# Altium PCB GBA_V1.PcbDoc (part 3 of 4)
Units mm, origin at the board's own origin, x right, y up, seen from the top; angles counter-clockwise.
Board outline 130.69 x 72.26 mm, 4 copper layers (Top Copper, Signal Layer 1, Signal Layer 2, Bottom Copper), stack 1.169 mm thick; 185 components, 167 nets, 812 pads, 417 vias.
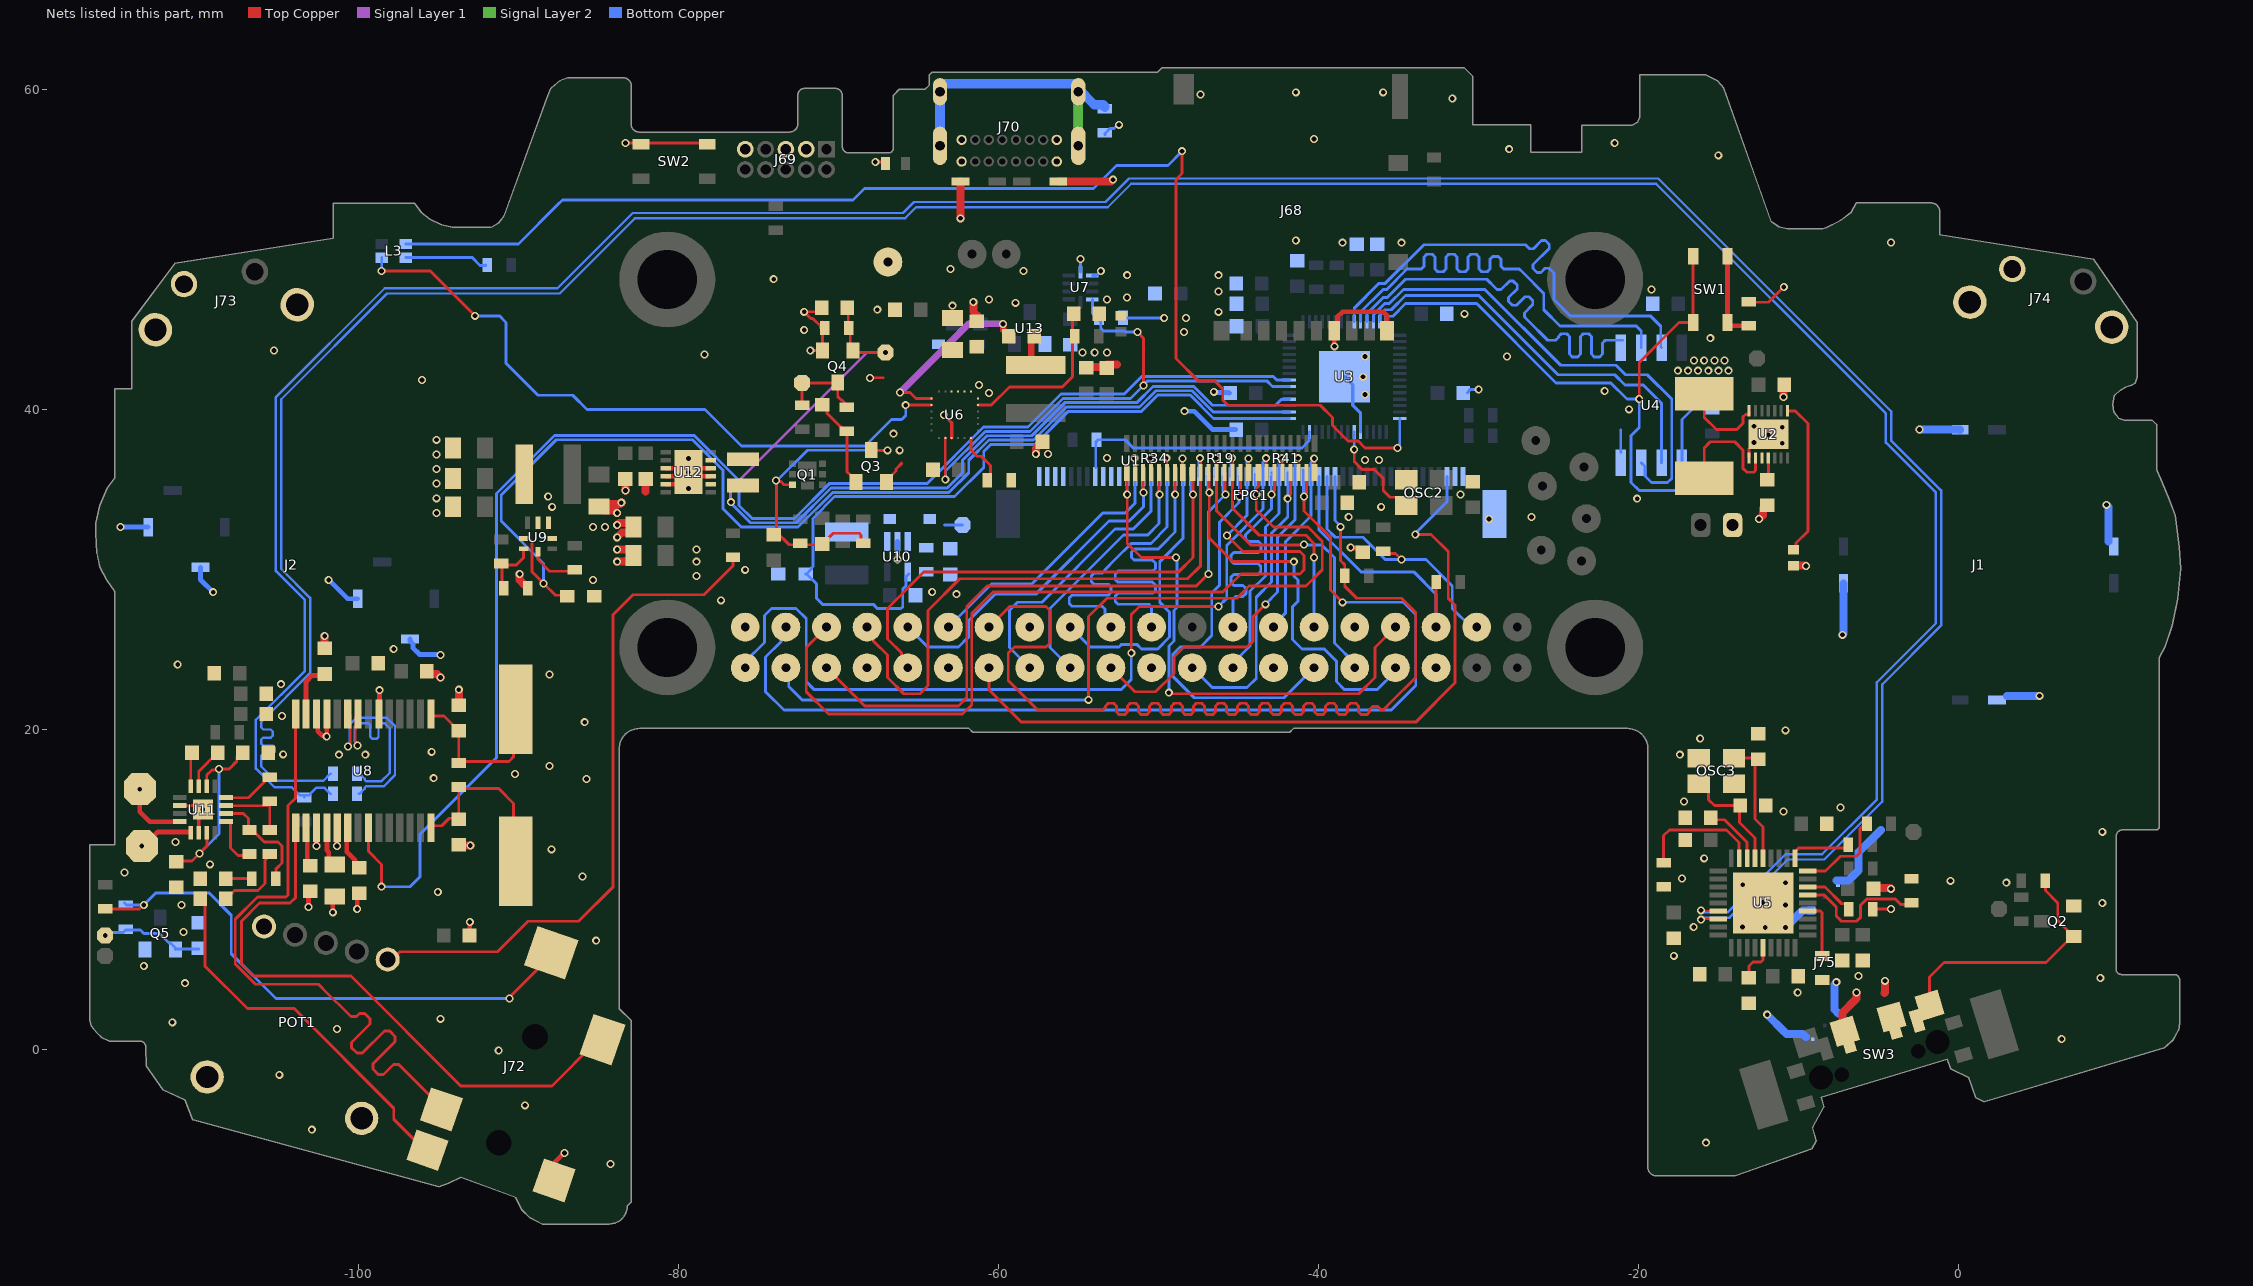
[diagram p5: the nets of this part, all layers, seen from the top]

## Via types
v1: diameter 0.5/0.5/0.5/0.5 (per signal layer), hole 0.3, Top Copper to Bottom Copper, tented both sides, 284 vias
v2: diameter 0.5, hole 0.3, Top Copper to Bottom Copper, tented both sides, 128 vias
v3: diameter 0.5/0.5/0.5/0.5 (per signal layer), hole 0.3, Top Copper to Bottom Copper, 5 vias

## Nets (pads, with @x,y where several pads share a name; then routed paths per layer and width w, separated by ;. In a path a pad name is that pad's centre, name@x,y a point inside that pad or via, vN(x,y) a via of type N, cw(c..) or ccw(c..) an arc to the next point about the centre after c; other vN are vias at no path point) (continued)
CSN: B1.1 C1.1 C2.2 C3.1 C4.1 C5.1 C6.2 C7.2 C8.2 C9.2 C10.2 C11.2 C12.2 C13.2 C14.2 C15.2 C16.1 C17.1 C18.1 C20.2 C21.2 C22.2 C23.2 C24.2 C25.2 C26.2 C27.2 C28.2 C29.1 C30.2 C31.1 C32.1 C33.2 C34.2 C35.2 C36.2 C37.2 C38.2 C39.2 C40.2 C41.2 C42.2 C43.2 C47.1 C48.1 C49.1 C51.2 C52.2 C53.2 C56.2 C57.2 C59.2 C60.2 C61.2 C62.2 C63.2 C64.2 C65.2 C67.2 C68.2 C69.2 C70.2 C71.2 C72.2 C73.2 C74.2 C75.2 ESD1.2 FPC1.9 FPC1.10 FPC1.11 FPC1.53 FPC1.54 FPC1.56 J1.GND J2.A_2 J2.B_2 J68.6 J68.10 J69.3 J69.5 J69.9 J70.A1 J70.A12 J70.B1 J70.B12 J72.1 J73.GND J73.SH J74.GND J74.SH J75.GND OSC2.2 OSC3.2 OSC3.4 POT1.3 POT1.MH1 POT1.MH2 Q2.2 Q3.2 Q4.2 Q5.2 R3.1 R7.2 R8.1 R9.1 R10.1 R11.1 R13.1 R25.1 R35.1 R42.1 R51.1 R59.1 RSENSE1.2 SW2.3 SW2.4 SW3.2 SW3.3 THR1.2 THR2.2 TVS1.1 TVS2.1 TVS3.1 U1.6 U1.9 U1.14 U1.20 U1.25 U1.30 U1.34 U1.39 U1.GND_3 U2.7 U2.8 U2.15 U3.19 U3.57 U4.4 U5.37 U6.9 U6.18 U6.19 U7.5 U7.6 U8.6 U8.11 U8.12 U8.17 U8.19 U9.2 U9.3 U10.2 U11.2 U11.6 U11.17 U12.3 U12.4 U12.5 U12.9 U12.10 U12.13 U13.1 | length 133.2
  Top Copper w0.18: v1(-83.312,56.642) -78.257,56.642 SW2.3@-78.189,56.574 ; v1(-71.755,43.688) Q4.2@-70.988,43.688 -70.993,43.693 R35.1@-70.993,45.466 ; R35.1@-71.12,45.085 -71.12,45.201 -71.604,45.685 -71.72,45.685 v1(-72.136,46.101) -71.335,46.101 C63.2@-71.081,46.355 ; v1(-68.017,41.965) -68.007,41.975 -67.209,41.975 ; v1(-67.691,55.458) -67.132,55.458 ESD1.2@-67.046,55.372 ; Q3.2@-66.995,35.449 -66.995,35.549 -66.4,36.144 -66.4,36.271 -66.04,36.631 -66.04,36.647 ; RSENSE1.2@-15.875,40.977 -15.875,39.497 -15.113,38.735 -13.843,38.735 -13.462,39.116 -13.462,39.513 -13.304,39.671 -13.078,39.671 -13.068,39.681 U2.7@-13.068,39.907 ; R3.1@-13.081,46.697 -11.85,46.697 v1(-10.903,47.644) ; U2.8@-13.068,36.957 -13.068,37.557 -12.757,37.868 v3(-12.757,37.924) ; R51.1@-5.387,8.763 -5.246,8.763 v1(-4.191,8.763)
  Top Copper w0.2: U11.2@-111.178,15.236 -109.978,15.236 v1(-109.728,14.986) -109.978,14.736 U11.6@-109.978,13.536 ; v1(-63.389,39.64) -62.915,39.166 U6.9@-62.915,38.214
  Top Copper w0.3: v1(-103.124,8.89) C29.1@-103.124,9.818 ; U8.17@-102.62,13.976 -102.618,13.974 -102.618,12.702 v1(-102.616,12.7) ; U8.12@-102.62,21.076 -102.545,21.001 -102.545,19.89 -102.252,19.596 -102.019,19.596 v1(-101.981,19.558) -101.975,19.564 -101.975,21.07 U8.11@-101.97,21.076 ; v1(-101.6,8.563) C30.2@-101.6,9.491 ; v1(-101.346,12.7) -101.333,12.713 -101.333,13.963 U8.19@-101.32,13.976 ; v1(-100.076,8.763) C31.1@-100.076,9.691 ; U8.6@-98.679,21.59 v1(-98.679,22.445) ; C62.2@-93.034,7.101 v1(-93.034,7.956) ; J72.1@-87.97,-8.33 -87.97,-7.325 v1(-87.122,-6.477) ; U12.5@-80.778,35.322 -80.103,35.322 -79.378,36.047 v1(-79.378,36.072) ; U12.4@-80.778,35.822 -79.628,35.822 v1(-79.378,36.072) ; U12.3@-80.778,36.322 -79.628,36.322 v1(-79.378,36.072) ; U12.9@-77.978,35.822 -79.128,35.822 v1(-79.378,36.072) ; U12.10@-77.978,36.322 -79.128,36.322 v1(-79.378,36.072) ; v1(-38.989,43.942) -38.998,43.951 -38.998,44.9 J68.6@-39.006,44.909 -38.806,45.109 -38.806,45.776 -38.481,46.101 -35.941,46.101 -35.706,45.866 J68.10@-35.706,44.909 ; v1(-37.973,31.369) -37.919,31.369 -37.877,31.327 -37.461,31.327 C64.2@-37.211,31.077 C64.2@-37.211,31.027
  Top Copper w0.5: C32.1@-102.147,25.068 -102.108,25.107 v1(-102.108,25.83) ; C28.2@-95.67,23.622 -95.52,23.472 -95.1,23.472 v1(-94.869,23.241) ; C26.2@-93.765,12.778 -93.726,12.739 v1(-93.003,12.739) ; C27.2@-93.726,21.551 v1(-93.726,22.479) ; v1(-89.916,29.718) -89.916,29.325 -89.62,29.029 -89.47,29.029 -89.42,28.979 R59.1@-89.42,28.829 ; v1(-83.82,30.48) -83.309,30.48 -83.278,30.511 -83.038,30.511 -83.019,30.53 C59.2@-83.019,30.695 ; v1(-83.82,31.242) -83.182,31.242 -83.151,31.211 -83.038,31.211 -82.838,31.011 C59.2@-82.838,30.861 ; v1(-83.82,32.004) -83.535,32.289 -83.027,32.289 C60.2@-82.931,32.385 ; v1(-83.82,32.766) -83.682,32.904 -83.038,32.904 -83.019,32.885 C60.2@-83.019,32.854 ; v1(-83.82,33.528) -83.967,33.675 -84.613,33.675 -84.613,34.075 -83.654,34.075 v1(-83.566,34.163) ; v1(-83.312,34.925) C57.2@-83.312,35.599 ; -82.042,34.876 -82.042,35.599 C56.2@-82.003,35.638 ; TVS1.1@-62.364,54.229 -62.357,54.229 v1(-62.357,51.943) ; v1(-61.564,46.705) -61.564,46.104 C17.1@-61.214,45.754 ; v1(-57.658,37.211) -57.658,37.554 C24.2@-57.239,37.973 C24.2@-57.189,37.973 ; TVS2.1@-56.247,54.229 -52.959,54.229 v1(-52.832,54.356) ; C21.2@-54.635,42.663 -54.62,42.648 -53.482,42.648 -53.467,42.663 C22.2@-53.36,42.663 ; C22.2@-53.34,42.633 -53.34,42.64 -53.19,42.79 -52.587,42.79 -52.584,42.793 ; v1(-12.446,33.147) -12.215,33.378 -12.215,33.798 C1.1@-12.065,33.948 ; v1(-10.922,40.767) -10.922,41.441 C2.2@-10.834,41.529 ; THR1.2@-10.287,30.234 -9.533,30.234 v1(-9.506,30.207) ; SW3.2@-7.239,1.524 -7.239,2.282 -6.35,3.171 v1(-6.35,3.556) ; C12.2@-5.296,10.183 -5.191,10.078 -4.236,10.078 v1(-4.191,10.033) ; -4.611,3.517 -4.572,3.556 v1(-4.572,4.279)
  Bottom Copper w0.18: U7.5@-54.864,48.575 v1(-54.864,49.403) ; U7.6@-54.123,48.375 -53.86,48.375 v1(-53.594,48.641) ; B1.1@-53.33,57.15 -53.33,57.249 -53.03,57.549 -52.774,57.549 -52.538,57.785 v1(-52.451,57.785) ; R13.1@-52.109,45.72 v1(-49.632,45.72) ; C5.1@-30.681,41.035 -30.567,41.148 -30.567,41.207 -30.54,41.234 v1(-29.972,41.234) ; -21.095,38.722 -21.095,37.332 U4.4@-21.082,37.319
  Bottom Copper w0.2: U3.57@-38.354,42.037 -37.846,41.529 -37.846,40.259 -37.354,39.767 U3.19@-37.354,38.587
  Bottom Copper w0.3: v1(-114.874,32.647) -114.865,32.639 J2.A_2@-113.134,32.639 ; J2.A_2@-109.871,30.135 -109.871,29.364 v1(-109.077,28.57) ; v1(-101.854,29.337) -100.675,28.158 J2.B_2@-100.037,28.158 ; J2.B_2@-96.774,25.654 -96.774,25.523 -96.593,25.342 -96.593,25.092 -96.177,24.676 -94.907,24.676 v1(-94.869,24.638) ; U10.2@-66.304,31.736 -66.299,31.731 -66.299,30.612 v2(-66.294,30.607) ; v2(-48.371,39.886) -47.76,39.886 -46.609,38.735 C4.1@-45.173,38.735 ; v2(-46.533,41.097) -46.495,41.059 -45.592,41.059 C6.2@-45.554,41.021
  Bottom Copper w0.5: v1(-11.938,2.159) -10.893,1.114 -10.747,0.968 -9.731,0.968 -9.525,0.762 ; v2(-10.795,7.62) -9.736,8.679 J75.GND@-9.171,8.679 ; v1(-7.62,4.191) -7.747,4.064 -7.747,2.498 J75.GND@-7.49,2.241 ; -7.62,10.541 -6.858,10.541 -6.223,11.176 -6.223,12.319 -4.826,13.716 ; v1(-7.239,25.908) -7.168,25.979 J1.GND@-7.168,29.128 ; v1(-2.413,38.735) 0.113,38.735 J1.GND@0.127,38.721 ; 3.048,22.098 v1(5.08,22.098) ; v1(9.271,34.036) 9.398,33.909 9.398,31.75
  other v1: -84.233,-7.17 -15.756,-5.84 -102.913,-5.024 -89.578,-3.5 -104.945,-1.595 -91.229,-0.071 6.469,0.637 -101.346,1.27 -111.633,1.685 -94.869,1.905 -10.033,3.556 -110.843,4.128 8.882,4.447 -6.223,4.572 -113.411,5.207 -17.78,5.842 -85.133,6.787 -110.937,7.328 -111.057,9.02 9.009,9.146 -95.039,9.835 -85.987,10.797 -114.613,11.052 -109.279,11.56 -87.927,12.502 -111.438,12.957 9.009,13.591 -85.733,16.893 -95.293,16.947 -90.213,17.201 -88.054,17.709 -101.219,18.415 -99.568,18.415 -104.7,18.442 -95.42,18.598 -85.852,20.447 -104.775,20.828 -104.834,22.818 -88.054,23.424 -111.295,24.059 -97.79,25.019 -77.343,28.067 -62.611,28.448 -64.135,28.575 -85.344,29.337 -78.867,29.591 -75.819,29.972 -78.867,30.48 -78.867,31.242 -85.344,32.639 -84.582,32.639 -29.337,33.147 -38.1,33.274 -26.67,33.274 -95.123,33.528 -87.884,33.909 -36.068,33.909 -20.066,34.417 -95.123,34.442 -88.138,34.544 -31.115,34.671 -79.375,35.052 -95.123,35.357 -95.123,36.271 -37.084,36.83 -36.195,36.83 -79.375,36.934 -53.213,36.957 -95.123,37.186 -56.896,37.211 -66.167,37.441 -95.123,38.1 -66.548,38.481 -20.574,40.005 -37.073,40.93 -60.579,41.021 -22.098,41.148 -61.214,41.529 -96.032,41.829 -37.211,42.037 -17.526,42.418 -16.891,42.418 -16.256,42.418 -15.621,42.418 -14.986,42.418 -14.351,42.418 -16.51,43.053 -15.875,43.053 -15.24,43.053 -14.605,43.053 -37.084,43.307 -28.194,43.307 -78.359,43.434 -54.737,43.561 -53.975,43.561 -53.213,43.561 -105.283,43.688 -15.494,44.45 -48.387,44.831 -72.136,44.958 -48.26,45.72 -30.861,45.974 -46.228,46.101 -67.564,46.228 -62.865,46.482 -58.928,46.662 -60.579,46.863 -53.213,46.863 -51.948,46.999 -46.228,47.371 -19.177,47.498 -74.041,48.133 -51.943,48.387 -46.228,48.387 -58.42,48.641 -62.992,48.768 -38.481,50.419 -34.798,50.419 -4.199,50.421 -41.402,50.546 -14.994,55.882 -28.067,56.261 -21.471,56.644 -40.259,56.896 -31.623,59.436 -47.371,59.69 -41.402,59.817 -35.941,59.817
  other v2: -12.065,7.62 -16.532,7.642 -13.484,7.642 -10.795,9.017 -12.214,9.166 -13.462,10.287 -10.795,10.414 3.007,10.414 -0.479,10.529 -17.272,10.668 -15.875,11.938 -10.922,14.859 -7.366,15.113 -17.145,15.494 -17.399,18.415 -16.129,19.431 -10.795,19.939
  other v3: -10.993,37.882 -11.868,38.417 -10.993,38.882 -12.757,38.94
CSPH: U2.10
CSPL: J71.2 RSENSE1.1 U2.9 | length 7.6
  Top Copper w0.18: RSENSE1.1@-15.875,35.687 -15.875,37.592 -15.494,37.973 -13.97,37.973 -13.462,37.465 -13.462,36.322 -13.208,36.068 -12.773,36.068 -12.668,36.173 U2.9@-12.668,36.957
CTRL_WLED: R25.2 U3.29 U10.4 | length 47.6
  Bottom Copper w0.18: R25.2@-72.048,29.718 R25.2@-71.998,29.718 ; U10.4@-65.58,29.72 -65.764,29.537 -65.764,28.978 -65.976,28.766 -65.976,27.664 -66.082,27.559 -67.564,27.559 -67.818,27.813 -70.993,27.813 -71.374,28.194 -71.374,29.094 R25.2@-71.998,29.718 ; U3.29@-41.804,39.437 -46.551,39.437 -48.008,40.894 -50.038,40.894 -51.054,39.878 -55.626,39.878 -57.691,37.813 -60.477,37.813 -60.914,37.376 -60.914,36.374 -62.744,34.544 -70.231,34.544 -71.588,33.187 -71.588,30.178 -71.688,30.078 -71.688,30.028 R25.2@-71.998,29.718
DB_0: FPC1.12 R34.1 U1.7 | length 35.2
  Top Copper w0.18: R34.1@-51.953,36.048 -51.954,36.047 -51.954,34.682 v2(-51.943,34.671) -51.943,31.623 -51.054,30.734 v2(-48.895,30.734) ; v2(-49.342,22.286) -49.281,22.225 -37.465,22.225 -36.449,23.241 -36.449,25.122 U1.7@-35.179,26.392
  Bottom Copper w0.18: FPC1.12@-51.996,36.338 -51.943,36.285 v2(-51.943,34.671) ; v2(-49.342,22.286) -49.342,22.488 -49.339,22.49 -49.339,25.21 -49.022,25.527 -49.022,27.432 -48.834,27.62 -48.834,30.673 v2(-48.895,30.734)
DB_1: FPC1.13 R34.2 U1.29 | length 18.6
  Top Copper w0.18: v2(-51.502,36.945) -51.477,36.92 -51.477,36.072 R34.2@-51.465,36.06 R34.2@-51.453,36.048
  Bottom Copper w0.18: U1.29@-63.119,26.392 -60.428,29.083 -57.912,29.083 -53.467,33.528 -52.07,33.528 -51.446,34.152 FPC1.13@-51.446,35.794 ; v2(-51.502,36.945) -51.468,36.911 -51.468,35.816 FPC1.13@-51.434,35.782
DB_2: FPC1.14 R34.3 U1.31 | length 22.6
  Top Copper w0.18: R34.3@-50.953,36.048 -50.946,36.041 -50.946,34.817 v2(-50.927,34.798)
  Bottom Copper w0.18: U1.31@-65.659,26.392 -64.413,25.146 -62.484,25.146 -61.849,25.781 -61.849,26.797 -60.198,28.448 -57.658,28.448 -53.086,33.02 -51.815,33.02 -50.927,33.908 v2(-50.927,34.798) ; v2@-50.946,34.807 FPC1.14@-50.946,35.794
DB_3: FPC1.15 R34.4 U1.26 | length 19.8
  Top Copper w0.18: v2(-50.502,36.945) -50.477,36.92 -50.477,36.072 R34.4@-50.465,36.06 R34.4@-50.453,36.048
  Bottom Copper w0.18: U1.26@-58.039,23.852 -59.309,25.122 -59.309,27.432 -58.801,27.94 -57.277,27.94 -52.705,32.512 -51.562,32.512 -50.446,33.628 FPC1.15@-50.446,35.794 ; v2(-50.502,36.945) -50.468,36.911 -50.468,35.816 FPC1.15@-50.434,35.782
DB_4: FPC1.16 R34.5 U1.24 | length 17.6
  Top Copper w0.18: R34.5@-49.953,36.048 -49.938,36.033 -49.938,34.698 v2(-49.911,34.671)
  Bottom Copper w0.18: U1.24@-55.499,23.852 -56.769,25.122 -56.769,27.559 -52.181,32.147 -50.657,32.147 -49.946,32.858 -49.946,34.689 FPC1.16@-49.946,35.794 ; v2@-49.929,34.689 v2(-49.911,34.671)
DB_5: FPC1.17 R34.6 U1.21 | length 20.6
  Top Copper w0.18: v2(-49.502,36.945) -49.477,36.92 -49.477,36.072 R34.6@-49.465,36.06 R34.6@-49.453,36.048
  Bottom Copper w0.18: U1.21@-52.959,26.392 -52.959,26.83 -53.34,27.211 -53.34,27.432 -53.34,27.522 -53.512,27.694 -55.392,27.694 -55.564,27.866 -55.564,28.21 -55.392,28.382 -53.127,28.382 -52.955,28.554 -52.955,28.898 -53.127,29.07 -54.016,29.07 -54.188,29.242 -54.188,29.586 -54.016,29.758 -53.512,29.758 -53.34,29.93 -53.34,29.972 -52.705,30.607 -51.689,31.623 -50.462,31.623 -49.446,32.639 FPC1.17@-49.446,35.794 -49.468,35.816 -49.468,36.911 v2(-49.502,36.945) ; U1.21@-52.744,26.54 -52.743,26.541 -52.199,26.541 U1.21@-52.197,26.543
DB_6: FPC1.18 R34.7 U1.19 | length 22.7
  Top Copper w0.18: R34.7@-48.953,36.048 -48.954,36.046 -48.954,34.682 v2(-48.944,34.671)
  Bottom Copper w0.18: U1.19@-50.419,26.392 -50.419,27.559 -50.419,27.649 -50.591,27.821 -52.517,27.821 -52.689,27.993 -52.689,28.337 -52.517,28.509 -50.353,28.509 -50.181,28.681 -50.181,29.025 -50.353,29.197 -52.517,29.197 -52.689,29.369 -52.689,29.713 -52.517,29.885 -50.353,29.885 -50.181,30.057 -50.181,30.401 -50.353,30.573 -51.497,30.573 -51.669,30.745 -51.669,31.089 -51.497,31.261 -50.019,31.261 -49.784,31.496 -48.946,32.334 -48.946,34.669 v2(-48.944,34.671) ; v2@-48.946,34.671 FPC1.18@-48.946,35.454
DB_7: FPC1.19 R34.8 U1.23 | length 20.1
  Top Copper w0.18: v2(-48.48,36.923) -48.473,36.916 -48.473,36.068 R34.8@-48.465,36.06
  Bottom Copper w0.18: U1.23@-55.499,26.392 -54.253,25.146 -52.451,25.146 -52.285,25.312 -51.347,25.312 -51.054,25.019 -50.038,25.019 -49.292,25.765 -49.292,27.321 -49.911,27.94 -49.911,30.48 -48.446,31.945 FPC1.19@-48.446,35.794 -48.48,35.828 v2(-48.48,36.923)
DCLK: FPC1.38 R45.1 U1.27 | length 66.7
  Top Copper w0.18: U1.27@-60.579,26.392 -59.285,27.686 -57.023,27.686 -56.769,27.432 -56.769,25.4 -57.023,25.146 -58.997,25.146 -59.378,24.765 -59.378,23.056 -57.531,21.209 -53.562,21.209 -53.472,21.209 -53.3,21.381 -53.3,21.454 -53.128,21.626 -52.784,21.626 -52.612,21.454 -52.612,21.087 -52.44,20.915 -52.096,20.915 -51.924,21.087 -51.924,21.454 -51.752,21.626 -51.408,21.626 -51.236,21.454 -51.236,21.087 -51.064,20.915 -50.72,20.915 -50.548,21.087 -50.548,21.454 -50.376,21.626 -50.032,21.626 -49.86,21.454 -49.86,21.087 -49.688,20.915 -49.344,20.915 -49.172,21.087 -49.172,21.454 -49,21.626 -48.656,21.626 -48.484,21.454 -48.484,21.087 -48.312,20.915 -47.968,20.915 -47.796,21.087 -47.796,21.454 -47.624,21.626 -47.28,21.626 -47.108,21.454 -47.108,21.087 -46.936,20.915 -46.592,20.915 -46.42,21.087 -46.42,21.454 -46.248,21.626 -45.904,21.626 -45.732,21.454 -45.732,21.087 -45.56,20.915 -45.216,20.915 -45.044,21.087 -45.044,21.454 -44.872,21.626 -44.528,21.626 -44.356,21.454 -44.356,21.087 -44.184,20.915 -43.84,20.915 -43.668,21.087 -43.668,21.454 -43.496,21.626 -43.152,21.626 -42.98,21.454 -42.98,21.087 -42.808,20.915 -42.464,20.915 -42.292,21.087 -42.292,21.454 -42.12,21.626 -41.776,21.626 -41.604,21.454 -41.604,21.087 -41.432,20.915 -41.088,20.915 -40.916,21.087 -40.916,21.454 -40.744,21.626 -40.4,21.626 -40.228,21.454 -40.228,21.087 -40.056,20.915 -39.712,20.915 -39.54,21.087 -39.54,21.454 -39.368,21.626 -39.024,21.626 -38.852,21.454 -38.852,21.087 -38.68,20.915 -38.336,20.915 -38.164,21.087 -38.164,21.454 -37.992,21.626 -37.648,21.626 -37.476,21.454 -37.476,21.087 -37.304,20.915 -36.96,20.915 -36.788,21.087 -36.788,21.247 -36.616,21.419 -36.272,21.419 -36.1,21.247 -35.903,21.247 -35.45,21.7 -33.909,23.241 -33.909,27.305 -34.798,28.194 -37.592,28.194 -38.342,28.944 -38.342,30.283 -38.608,30.549 v2(-38.608,32.661)
  Bottom Copper w0.18: FPC1.38@-38.946,35.794 -38.946,33.058 -38.608,32.72 v2(-38.608,32.661)
DE: FPC1.52 U1.28 | length 47.7
  Top Copper w0.18: U1.28@-60.579,23.852 -60.579,22.479 -58.547,20.447 -33.909,20.447 -31.449,22.907 -31.449,27.766 -31.877,28.194 -31.877,31.115 -32.945,32.183 v2(-33.934,32.183)
  Bottom Copper w0.18: v2(-33.934,32.183) -33.934,32.233 -31.946,34.221 FPC1.52@-31.946,35.794
DG_0: FPC1.20 R19.1 U1.32 | length 30.9
  Top Copper w0.18: U1.32@-65.659,23.852 -65.659,24.29 -66.04,24.672 -66.04,24.765 -66.929,25.654 -66.929,27.559 -64.643,29.845 -48.718,29.845 -47.829,30.734 v2(-47.829,34.671) ; v2@-47.84,34.671 R19.1@-47.84,36.047
  Bottom Copper w0.18: v2@-47.946,34.875 FPC1.20@-47.946,35.794
DG_1: FPC1.21 R19.2 U1.33 | length 37.7
  Top Copper w0.18: U1.33@-68.199,26.392 -68.199,25.954 -67.794,25.548 -67.794,25.503 -66.929,24.638 -66.929,23.241 -65.913,22.225 -64.897,22.225 -64.389,22.733 -64.389,27.432 -62.411,29.41 -48.167,29.41 -47.351,30.226 R19.2@-47.351,36.06 -47.363,36.072 -47.363,36.92 v2(-47.388,36.945)
  Bottom Copper w0.18: FPC1.21@-47.446,35.794 -47.446,36.886 v2(-47.388,36.945)
DG_2: FPC1.22 R19.3 U1.8 | length 25.3
  Top Copper w0.18: R19.3@-46.839,36.048 -46.832,36.041 -46.832,34.817 v2(-46.813,34.798) -46.813,31.954 -45.339,30.48 v2(-41.529,30.48)
  Bottom Copper w0.18: FPC1.22@-46.946,35.794 -46.911,35.759 -46.911,34.983 -46.813,34.885 v2(-46.813,34.798) ; v2(-41.529,30.48) -41.529,29.578 -41.275,29.324 -41.275,28 -41.609,27.666 -41.609,25.607 -41.021,25.019 -39.624,25.019 -38.862,24.257 -38.862,22.987 -38.354,22.479 -36.322,22.479 -35.179,23.622 U1.8@-35.179,23.852
DG_3: FPC1.23 R19.4 U1.10 | length 20.5
  Top Copper w0.18: v2(-46.388,36.945) -46.363,36.92 -46.363,36.072 R19.4@-46.351,36.06 -46.351,33.651 -44.226,31.526 -40.914,31.526 v2(-40.895,31.545)
  Bottom Copper w0.18: FPC1.23@-46.446,35.794 -46.411,35.829 -46.411,36.922 v2(-46.388,36.945) ; v2(-40.895,31.545) -40.876,31.526 -39.781,31.526 -38.989,30.734 -38.989,25.4 -37.719,24.13 U1.10@-37.719,23.852
DG_4: FPC1.24 R19.5 U1.36 | length 39.6
  Top Copper w0.18: U1.36@-70.739,23.852 -68.35,21.463 -62.484,21.463 -61.976,21.971 -61.976,27.686 -60.706,28.956 -47.625,28.956 v2@-46.875,29.706 ; R19.5@-45.839,36.048 -45.824,36.033 -45.824,34.698 v2(-45.797,34.671)
  Bottom Copper w0.18: v2(-46.863,29.718) -46.863,33.605 v2(-45.797,34.671) -45.797,34.758 -45.946,34.907 FPC1.24@-45.946,35.794
DG_5: FPC1.25 R19.6 U1.11 | length 15.6
  Top Copper w0.18: v2(-45.388,36.945) -45.363,36.92 -45.363,36.072 R19.6@-45.351,36.06 -45.351,33.794 -43.688,32.131 -40.767,32.131 -40.259,31.623 v2(-40.259,30.734)
  Bottom Copper w0.18: FPC1.25@-45.446,35.794 -45.446,36.887 v2(-45.388,36.945) ; U1.11@-40.259,26.392 v2(-40.259,30.734)
DG_6: FPC1.26 R19.7 U1.12 | length 26.6
  Top Copper w0.18: v2(-44.921,34.544) -44.86,34.605 -44.86,34.729 -44.851,34.738 -44.851,36.036 R19.7@-44.839,36.048
  Bottom Copper w0.18: v2@-44.946,34.532 -44.946,34.175 -46.179,32.942 -46.179,29.005 -46.658,28.526 -46.658,25.859 -47.371,25.146 -48.641,25.146 -49.069,24.718 -49.069,23.288 -47.752,21.971 -42.14,21.971 U1.12@-40.259,23.852 ; FPC1.26@-44.946,35.794 -44.934,35.782 -44.934,34.556 v2(-44.921,34.544)